# Altium PCB CPU_CARD.pcbdoc (part 5 of 10)
Units mil, origin at the board's own origin, x right, y up, seen from the top; angles counter-clockwise.
Board outline 12785.46 x 11935.21 mil, 2 copper layers (Top Layer, Bottom Layer); 169 components, 379 nets, 1548 pads, 1023 vias.
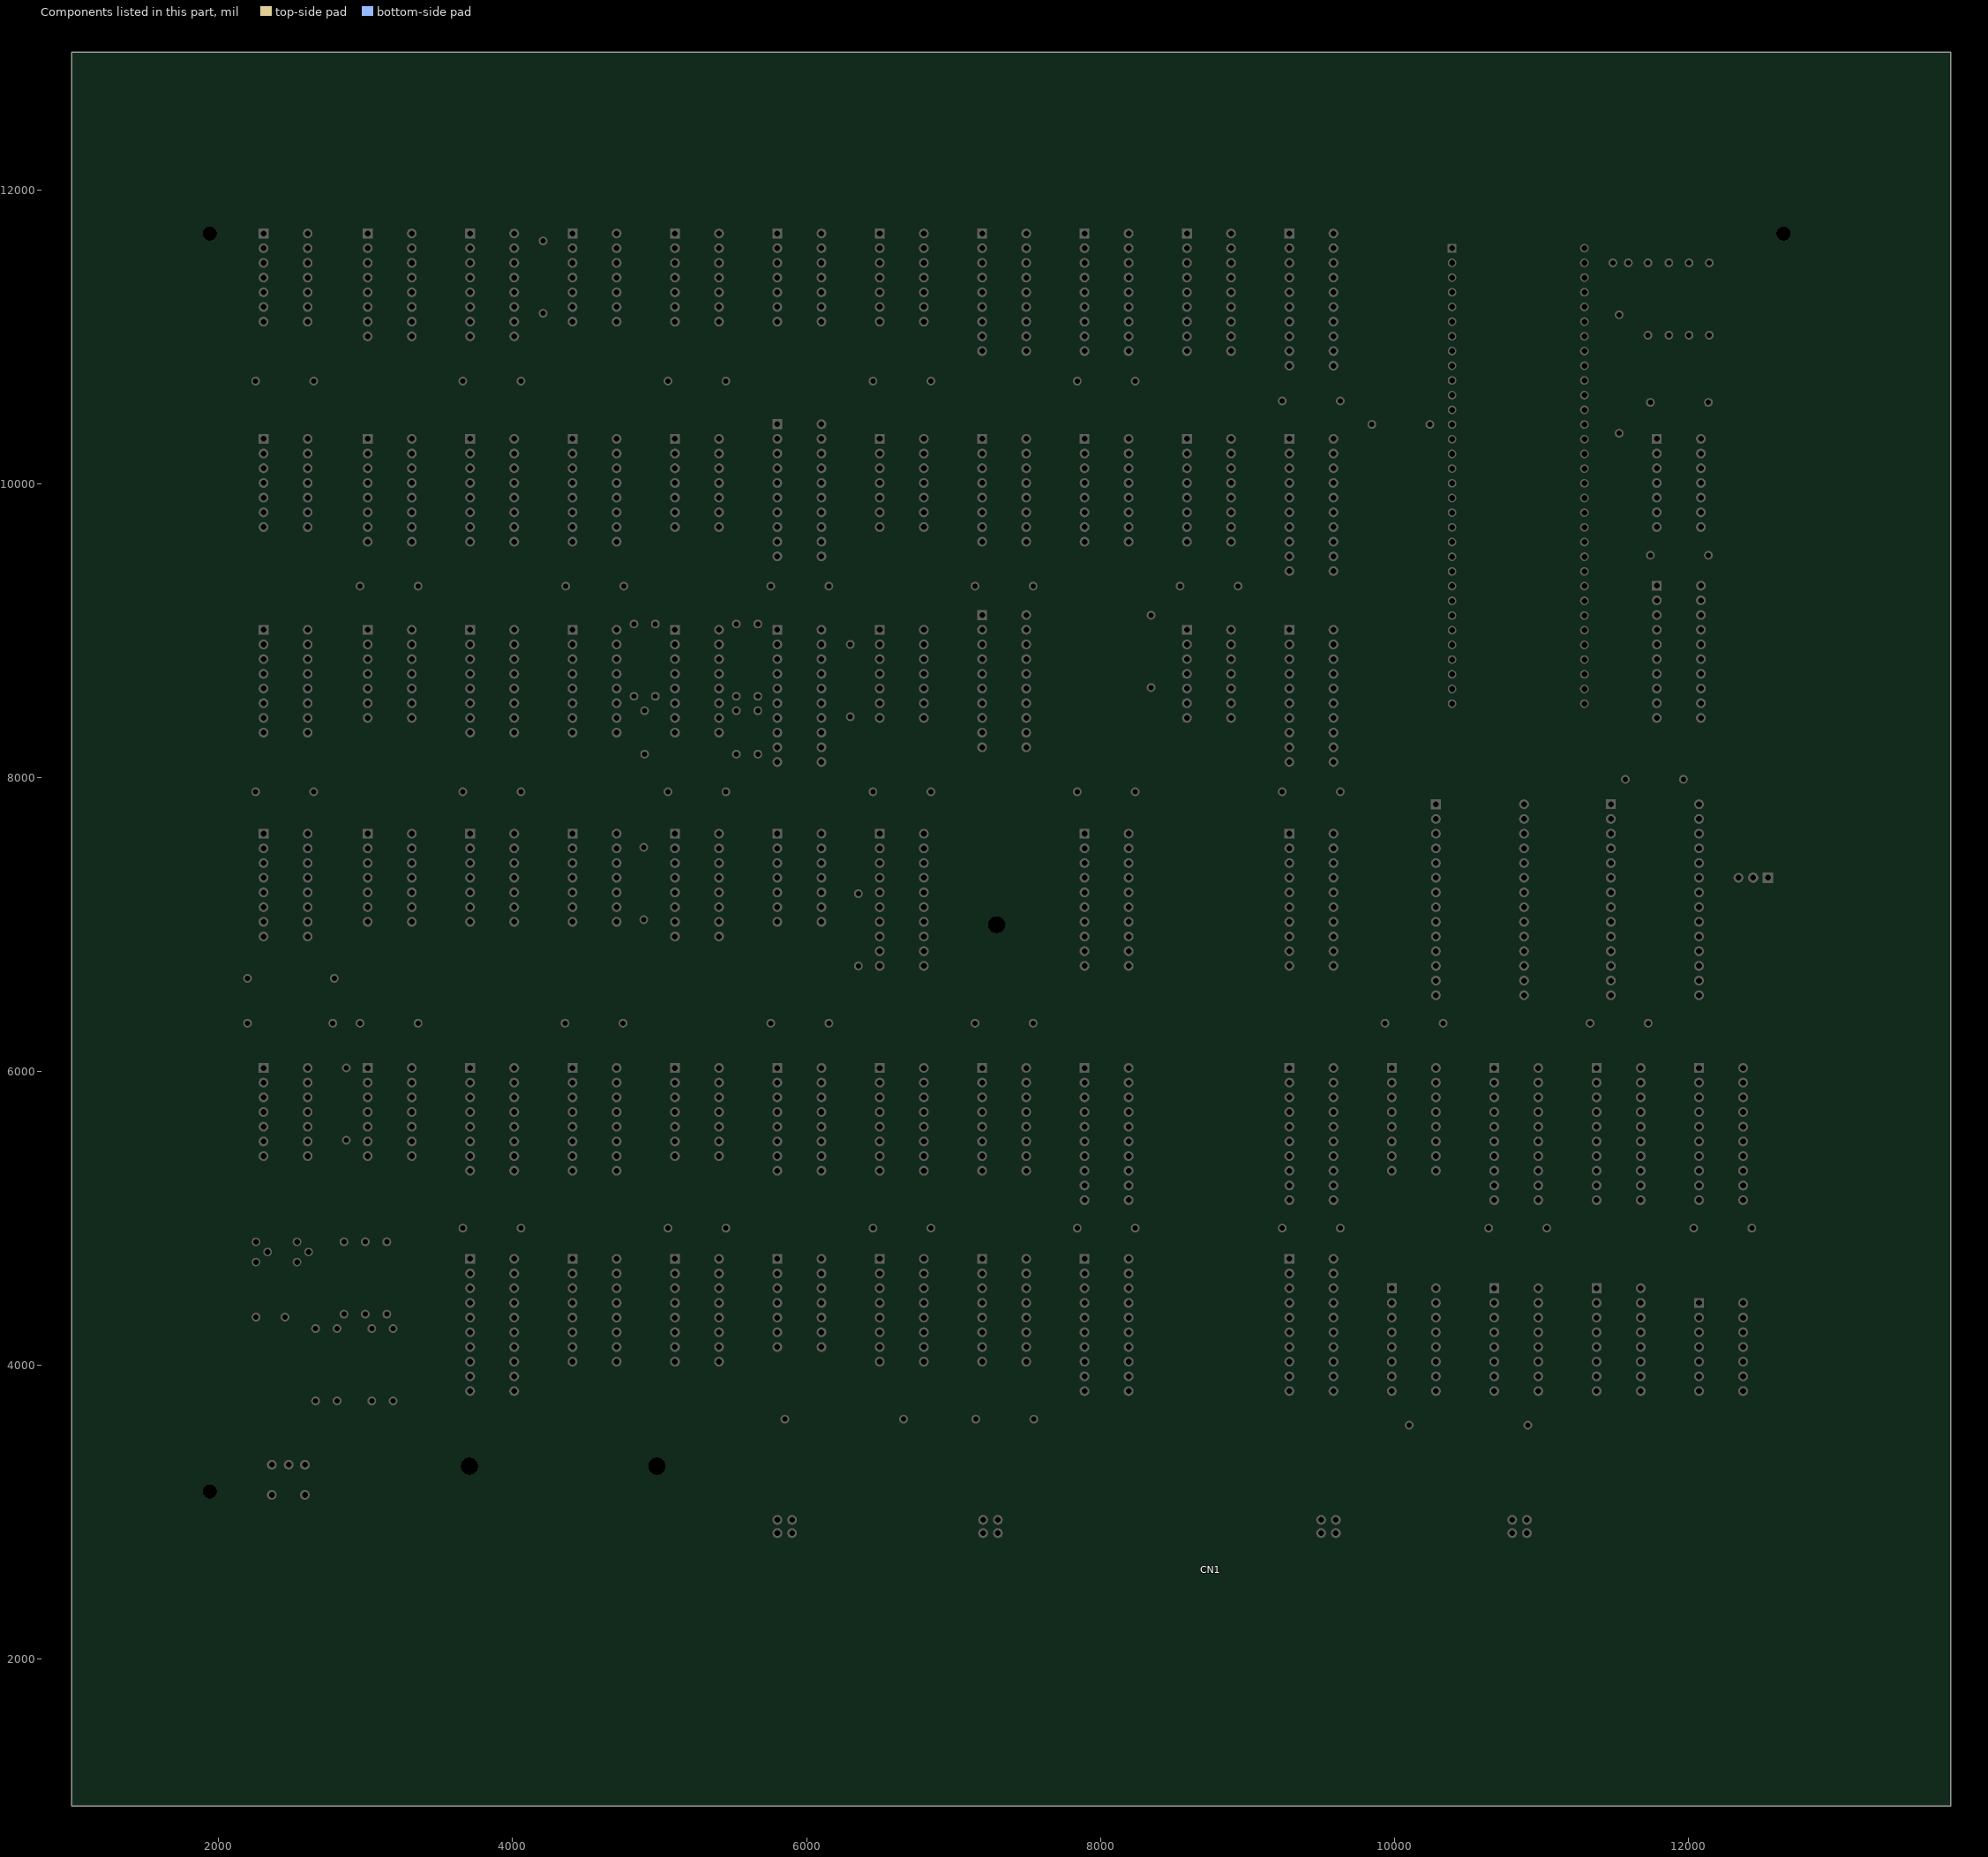
[diagram p5: the components of this part, seen from the top]

## Footprints (in the part's own frame and the unit in brackets; to place one, negate y for a bottom-side part, rotate by r counter-clockwise, add the part's x,y. Pads: shape width x height; smd on the part's side, far side on the other; paste and mask are expansions set on the pad) (continued)
LISA_60_PIN_EDGE_MK5 [mm] (continued)
  Bottom Layer region: -34.251,4.952 -34.289,4.953 -34.289,4.953 -34.327,4.952 -34.327,4.952 -34.365,4.949 -34.365,4.949 -34.402,4.944 -34.402,4.944 -34.439,4.937 -34.439,4.937 -34.476,4.927 -34.476,4.927 -34.512,4.916 -34.512,4.916 -34.548,4.903 -34.548,4.903 -34.583,4.888 -34.583,4.888 -34.617,4.871 -34.617,4.871 -34.65,4.853 -34.65,4.853 -34.682,4.832 -34.682,4.832 -34.712,4.81 -34.712,4.81 -34.742,4.786 -34.742,4.786 -34.77,4.761 -34.77,4.761 -34.797,4.734 -34.797,4.734 -34.822,4.706 -34.822,4.706 -34.846,4.677 -34.846,4.677 -34.868,4.646 -34.868,4.646 -34.889,4.614 -34.889,4.614 -34.907,4.581 -34.907,4.581 -34.924,4.547 -34.924,4.547 -34.939,4.512 -34.939,4.512 -34.952,4.477 -34.952,4.477 -34.963,4.44 -34.963,4.44 -34.972,4.403 -34.972,4.403 -34.98,4.366 -34.98,4.366 -34.985,4.329 -34.985,4.329 -34.988,4.291 -34.988,4.291 -34.989,4.253 -34.989,4.253 -34.989,-4.953 -34.989,-4.953 -33.589,-4.953 -33.589,-4.953 -33.589,4.253 -33.589,4.253 -33.59,4.291 -33.59,4.291 -33.593,4.329 -33.593,4.329 -33.598,4.366 -33.598,4.366 -33.605,4.403 -33.605,4.403 -33.614,4.44 -33.614,4.44 -33.625,4.477 -33.625,4.477 -33.638,4.512 -33.638,4.512 -33.653,4.547 -33.653,4.547 -33.67,4.581 -33.67,4.581 -33.689,4.614 -33.689,4.614 -33.709,4.646 -33.709,4.646 -33.732,4.677 -33.732,4.677 -33.755,4.706 -33.755,4.706 -33.781,4.734 -33.781,4.734 -33.807,4.761 -33.807,4.761 -33.836,4.786 -33.836,4.786 -33.865,4.81 -33.865,4.81 -33.896,4.832 -33.896,4.832 -33.928,4.853 -33.928,4.853 -33.961,4.871 -33.961,4.871 -33.995,4.888 -33.995,4.888 -34.03,4.903 -34.03,4.903 -34.065,4.916 -34.065,4.916 -34.102,4.927 -34.102,4.927 -34.138,4.937 -34.138,4.937 -34.175,4.944 -34.175,4.944 -34.213,4.949 -34.213,4.949
  Bottom Layer region: -31.711,4.952 -31.749,4.953 -31.749,4.953 -31.786,4.952 -31.786,4.952 -31.824,4.949 -31.824,4.949 -31.862,4.944 -31.862,4.944 -31.899,4.937 -31.899,4.937 -31.936,4.927 -31.936,4.927 -31.972,4.916 -31.972,4.916 -32.008,4.903 -32.008,4.903 -32.042,4.888 -32.042,4.888 -32.076,4.871 -32.076,4.871 -32.109,4.853 -32.109,4.853 -32.141,4.832 -32.141,4.832 -32.172,4.81 -32.172,4.81 -32.202,4.786 -32.202,4.786 -32.23,4.761 -32.23,4.761 -32.257,4.734 -32.257,4.734 -32.282,4.706 -32.282,4.706 -32.306,4.677 -32.306,4.677 -32.328,4.646 -32.328,4.646 -32.348,4.614 -32.348,4.614 -32.367,4.581 -32.367,4.581 -32.384,4.547 -32.384,4.547 -32.399,4.512 -32.399,4.512 -32.412,4.477 -32.412,4.477 -32.423,4.44 -32.423,4.44 -32.432,4.404 -32.432,4.404 -32.439,4.366 -32.439,4.366 -32.444,4.329 -32.444,4.329 -32.448,4.291 -32.448,4.291 -32.448,4.253 -32.448,4.253 -32.448,-4.953 -32.448,-4.953 -31.048,-4.953 -31.048,-4.953 -31.048,4.253 -31.048,4.253 -31.05,4.291 -31.05,4.291 -31.053,4.329 -31.053,4.329 -31.058,4.366 -31.058,4.366 -31.065,4.404 -31.065,4.404 -31.074,4.44 -31.074,4.44 -31.085,4.477 -31.085,4.477 -31.098,4.512 -31.098,4.512 -31.113,4.547 -31.113,4.547 -31.13,4.581 -31.13,4.581 -31.149,4.614 -31.149,4.614 -31.169,4.646 -31.169,4.646 -31.191,4.677 -31.191,4.677 -31.215,4.706 -31.215,4.706 -31.24,4.734 -31.24,4.734 -31.267,4.761 -31.267,4.761 -31.295,4.786 -31.295,4.786 -31.325,4.81 -31.325,4.81 -31.356,4.832 -31.356,4.832 -31.388,4.853 -31.388,4.853 -31.421,4.871 -31.421,4.871 -31.454,4.888 -31.454,4.888 -31.489,4.903 -31.489,4.903 -31.525,4.916 -31.525,4.916 -31.561,4.927 -31.561,4.927 -31.598,4.937 -31.598,4.937 -31.635,4.944 -31.635,4.944 -31.673,4.949 -31.673,4.949
  Bottom Layer region: -26.63,4.952 -26.668,4.953 -26.668,4.953 -26.706,4.952 -26.706,4.952 -26.744,4.949 -26.744,4.949 -26.781,4.944 -26.781,4.944 -26.818,4.937 -26.818,4.937 -26.855,4.927 -26.855,4.927 -26.891,4.916 -26.891,4.916 -26.927,4.903 -26.927,4.903 -26.962,4.888 -26.962,4.888 -26.996,4.871 -26.996,4.871 -27.029,4.853 -27.029,4.853 -27.061,4.832 -27.061,4.832 -27.092,4.81 -27.092,4.81 -27.121,4.786 -27.121,4.786 -27.149,4.761 -27.149,4.761 -27.176,4.734 -27.176,4.734 -27.201,4.706 -27.201,4.706 -27.225,4.677 -27.225,4.677 -27.247,4.646 -27.247,4.646 -27.268,4.614 -27.268,4.614 -27.286,4.581 -27.286,4.581 -27.303,4.547 -27.303,4.547 -27.318,4.512 -27.318,4.512 -27.331,4.477 -27.331,4.477 -27.342,4.44 -27.342,4.44 -27.352,4.403 -27.352,4.403 -27.359,4.366 -27.359,4.366 -27.364,4.329 -27.364,4.329 -27.367,4.291 -27.367,4.291 -27.368,4.253 -27.368,4.253 -27.368,-4.953 -27.368,-4.953 -25.968,-4.953 -25.968,-4.953 -25.968,4.253 -25.968,4.253 -25.969,4.291 -25.969,4.291 -25.972,4.329 -25.972,4.329 -25.977,4.366 -25.977,4.366 -25.984,4.403 -25.984,4.403 -25.993,4.44 -25.993,4.44 -26.005,4.477 -26.005,4.477 -26.018,4.512 -26.018,4.512 -26.033,4.547 -26.033,4.547 -26.05,4.581 -26.05,4.581 -26.068,4.614 -26.068,4.614 -26.088,4.646 -26.088,4.646 -26.111,4.677 -26.111,4.677 -26.134,4.706 -26.134,4.706 -26.16,4.734 -26.16,4.734 -26.187,4.761 -26.187,4.761 -26.215,4.786 -26.215,4.786 -26.244,4.81 -26.244,4.81 -26.275,4.832 -26.275,4.832 -26.307,4.853 -26.307,4.853 -26.34,4.871 -26.34,4.871 -26.374,4.888 -26.374,4.888 -26.409,4.903 -26.409,4.903 -26.444,4.916 -26.444,4.916 -26.481,4.927 -26.481,4.927 -26.517,4.937 -26.517,4.937 -26.555,4.944 -26.555,4.944 -26.592,4.949 -26.592,4.949
  Bottom Layer region: -29.17,4.952 -29.208,4.953 -29.208,4.953 -29.246,4.952 -29.246,4.952 -29.284,4.949 -29.284,4.949 -29.322,4.944 -29.322,4.944 -29.359,4.937 -29.359,4.937 -29.396,4.928 -29.396,4.928 -29.432,4.917 -29.432,4.917 -29.467,4.903 -29.467,4.903 -29.502,4.888 -29.502,4.888 -29.536,4.872 -29.536,4.872 -29.569,4.853 -29.569,4.853 -29.601,4.833 -29.601,4.833 -29.632,4.81 -29.632,4.81 -29.661,4.787 -29.661,4.787 -29.69,4.761 -29.69,4.761 -29.716,4.735 -29.716,4.735 -29.742,4.706 -29.742,4.706 -29.766,4.677 -29.766,4.677 -29.788,4.646 -29.788,4.646 -29.808,4.614 -29.808,4.614 -29.827,4.581 -29.827,4.581 -29.844,4.547 -29.844,4.547 -29.859,4.512 -29.859,4.512 -29.872,4.477 -29.872,4.477 -29.883,4.441 -29.883,4.441 -29.892,4.404 -29.892,4.404 -29.899,4.366 -29.899,4.366 -29.904,4.329 -29.904,4.329 -29.907,4.291 -29.907,4.291 -29.908,4.253 -29.908,4.253 -29.908,-4.953 -29.908,-4.953 -28.508,-4.953 -28.508,-4.953 -28.508,4.253 -28.508,4.253 -28.509,4.291 -28.509,4.291 -28.512,4.329 -28.512,4.329 -28.517,4.366 -28.517,4.366 -28.525,4.404 -28.525,4.404 -28.534,4.441 -28.534,4.441 -28.545,4.477 -28.545,4.477 -28.558,4.512 -28.558,4.512 -28.573,4.547 -28.573,4.547 -28.59,4.581 -28.59,4.581 -28.609,4.614 -28.609,4.614 -28.629,4.646 -28.629,4.646 -28.651,4.677 -28.651,4.677 -28.675,4.706 -28.675,4.706 -28.7,4.735 -28.7,4.735 -28.727,4.761 -28.727,4.761 -28.755,4.787 -28.755,4.787 -28.785,4.81 -28.785,4.81 -28.815,4.833 -28.815,4.833 -28.847,4.853 -28.847,4.853 -28.881,4.872 -28.881,4.872 -28.914,4.888 -28.914,4.888 -28.949,4.903 -28.949,4.903 -28.985,4.917 -28.985,4.917 -29.021,4.928 -29.021,4.928 -29.058,4.937 -29.058,4.937 -29.095,4.944 -29.095,4.944 -29.133,4.949 -29.133,4.949
  Bottom Layer region: -19.009,4.952 -19.047,4.953 -19.047,4.953 -19.085,4.952 -19.085,4.952 -19.123,4.949 -19.123,4.949 -19.16,4.944 -19.16,4.944 -19.198,4.937 -19.198,4.937 -19.234,4.928 -19.234,4.928 -19.27,4.917 -19.27,4.917 -19.306,4.903 -19.306,4.903 -19.341,4.888 -19.341,4.888 -19.375,4.872 -19.375,4.872 -19.408,4.853 -19.408,4.853 -19.44,4.833 -19.44,4.833 -19.471,4.81 -19.471,4.81 -19.5,4.787 -19.5,4.787 -19.528,4.761 -19.528,4.761 -19.555,4.735 -19.555,4.735 -19.58,4.706 -19.58,4.706 -19.604,4.677 -19.604,4.677 -19.626,4.646 -19.626,4.646 -19.647,4.614 -19.647,4.614 -19.666,4.581 -19.666,4.581 -19.682,4.547 -19.682,4.547 -19.697,4.512 -19.697,4.512 -19.71,4.477 -19.71,4.477 -19.721,4.44 -19.721,4.44 -19.731,4.404 -19.731,4.404 -19.738,4.366 -19.738,4.366 -19.743,4.329 -19.743,4.329 -19.746,4.291 -19.746,4.291 -19.747,4.253 -19.747,4.253 -19.747,-4.953 -19.747,-4.953 -18.347,-4.953 -18.347,-4.953 -18.347,4.253 -18.347,4.253 -18.348,4.291 -18.348,4.291 -18.351,4.329 -18.351,4.329 -18.356,4.366 -18.356,4.366 -18.363,4.404 -18.363,4.404 -18.373,4.44 -18.373,4.44 -18.384,4.477 -18.384,4.477 -18.397,4.512 -18.397,4.512 -18.412,4.547 -18.412,4.547 -18.428,4.581 -18.428,4.581 -18.447,4.614 -18.447,4.614 -18.468,4.646 -18.468,4.646 -18.49,4.677 -18.49,4.677 -18.514,4.706 -18.514,4.706 -18.539,4.735 -18.539,4.735 -18.565,4.761 -18.565,4.761 -18.594,4.787 -18.594,4.787 -18.623,4.81 -18.623,4.81 -18.654,4.833 -18.654,4.833 -18.686,4.853 -18.686,4.853 -18.719,4.872 -18.719,4.872 -18.753,4.888 -18.753,4.888 -18.788,4.903 -18.788,4.903 -18.823,4.917 -18.823,4.917 -18.86,4.928 -18.86,4.928 -18.896,4.937 -18.896,4.937 -18.934,4.944 -18.934,4.944 -18.971,4.949 -18.971,4.949
  Bottom Layer region: -16.469,4.952 -16.507,4.953 -16.507,4.953 -16.545,4.952 -16.545,4.952 -16.582,4.949 -16.582,4.949 -16.62,4.944 -16.62,4.944 -16.657,4.937 -16.657,4.937 -16.694,4.927 -16.694,4.927 -16.73,4.916 -16.73,4.916 -16.766,4.903 -16.766,4.903 -16.8,4.888 -16.8,4.888 -16.834,4.871 -16.834,4.871 -16.868,4.853 -16.868,4.853 -16.9,4.832 -16.9,4.832 -16.93,4.81 -16.93,4.81 -16.96,4.787 -16.96,4.787 -16.988,4.761 -16.988,4.761 -17.015,4.734 -17.015,4.734 -17.04,4.706 -17.04,4.706 -17.064,4.677 -17.064,4.677 -17.086,4.646 -17.086,4.646 -17.106,4.614 -17.106,4.614 -17.125,4.581 -17.125,4.581 -17.142,4.547 -17.142,4.547 -17.157,4.512 -17.157,4.512 -17.17,4.477 -17.17,4.477 -17.181,4.44 -17.181,4.44 -17.19,4.403 -17.19,4.403 -17.197,4.366 -17.197,4.366 -17.203,4.329 -17.203,4.329 -17.206,4.291 -17.206,4.291 -17.206,4.253 -17.206,4.253 -17.206,-4.953 -17.206,-4.953 -15.807,-4.953 -15.807,-4.953 -15.807,4.253 -15.807,4.253 -15.808,4.291 -15.808,4.291 -15.811,4.329 -15.811,4.329 -15.816,4.366 -15.816,4.366 -15.823,4.403 -15.823,4.403 -15.832,4.44 -15.832,4.44 -15.843,4.477 -15.843,4.477 -15.856,4.512 -15.856,4.512 -15.871,4.547 -15.871,4.547 -15.888,4.581 -15.888,4.581 -15.907,4.614 -15.907,4.614 -15.927,4.646 -15.927,4.646 -15.949,4.677 -15.949,4.677 -15.973,4.706 -15.973,4.706 -15.998,4.734 -15.998,4.734 -16.025,4.761 -16.025,4.761 -16.053,4.787 -16.053,4.787 -16.083,4.81 -16.083,4.81 -16.114,4.832 -16.114,4.832 -16.146,4.853 -16.146,4.853 -16.179,4.871 -16.179,4.871 -16.213,4.888 -16.213,4.888 -16.247,4.903 -16.247,4.903 -16.283,4.916 -16.283,4.916 -16.32,4.927 -16.32,4.927 -16.356,4.937 -16.356,4.937 -16.393,4.944 -16.393,4.944 -16.431,4.949 -16.431,4.949
  Bottom Layer region: -21.549,4.952 -21.587,4.953 -21.587,4.953 -21.625,4.952 -21.625,4.952 -21.663,4.949 -21.663,4.949 -21.7,4.944 -21.7,4.944 -21.738,4.937 -21.738,4.937 -21.775,4.927 -21.775,4.927 -21.811,4.916 -21.811,4.916 -21.846,4.903 -21.846,4.903 -21.881,4.888 -21.881,4.888 -21.915,4.871 -21.915,4.871 -21.948,4.853 -21.948,4.853 -21.98,4.832 -21.98,4.832 -22.011,4.81 -22.011,4.81 -22.04,4.786 -22.04,4.786 -22.069,4.761 -22.069,4.761 -22.096,4.734 -22.096,4.734 -22.121,4.706 -22.121,4.706 -22.145,4.677 -22.145,4.677 -22.167,4.646 -22.167,4.646 -22.187,4.614 -22.187,4.614 -22.206,4.581 -22.206,4.581 -22.223,4.547 -22.223,4.547 -22.237,4.512 -22.237,4.512 -22.251,4.476 -22.251,4.476 -22.262,4.44 -22.262,4.44 -22.271,4.403 -22.271,4.403 -22.278,4.366 -22.278,4.366 -22.283,4.329 -22.283,4.329 -22.286,4.291 -22.286,4.291 -22.287,4.253 -22.287,4.253 -22.287,-4.953 -22.287,-4.953 -20.887,-4.953 -20.887,-4.953 -20.887,4.253 -20.887,4.253 -20.888,4.291 -20.888,4.291 -20.891,4.329 -20.891,4.329 -20.896,4.366 -20.896,4.366 -20.904,4.403 -20.904,4.403 -20.913,4.44 -20.913,4.44 -20.924,4.476 -20.924,4.476 -20.937,4.512 -20.937,4.512 -20.952,4.547 -20.952,4.547 -20.969,4.581 -20.969,4.581 -20.987,4.614 -20.987,4.614 -21.008,4.646 -21.008,4.646 -21.03,4.677 -21.03,4.677 -21.054,4.706 -21.054,4.706 -21.079,4.734 -21.079,4.734 -21.106,4.761 -21.106,4.761 -21.134,4.786 -21.134,4.786 -21.164,4.81 -21.164,4.81 -21.194,4.832 -21.194,4.832 -21.226,4.853 -21.226,4.853 -21.26,4.871 -21.26,4.871 -21.293,4.888 -21.293,4.888 -21.328,4.903 -21.328,4.903 -21.364,4.916 -21.364,4.916 -21.4,4.927 -21.4,4.927 -21.437,4.937 -21.437,4.937 -21.474,4.944 -21.474,4.944 -21.512,4.949 -21.512,4.949
  Bottom Layer region: -24.09,4.952 -24.128,4.953 -24.128,4.953 -24.165,4.952 -24.165,4.952 -24.203,4.949 -24.203,4.949 -24.241,4.944 -24.241,4.944 -24.278,4.937 -24.278,4.937 -24.315,4.927 -24.315,4.927 -24.351,4.916 -24.351,4.916 -24.387,4.903 -24.387,4.903 -24.421,4.888 -24.421,4.888 -24.455,4.871 -24.455,4.871 -24.488,4.853 -24.488,4.853 -24.52,4.832 -24.52,4.832 -24.551,4.81 -24.551,4.81 -24.581,4.786 -24.581,4.786 -24.609,4.761 -24.609,4.761 -24.636,4.734 -24.636,4.734 -24.661,4.706 -24.661,4.706 -24.685,4.677 -24.685,4.677 -24.707,4.646 -24.707,4.646 -24.727,4.614 -24.727,4.614 -24.746,4.581 -24.746,4.581 -24.763,4.547 -24.763,4.547 -24.778,4.512 -24.778,4.512 -24.791,4.477 -24.791,4.477 -24.802,4.44 -24.802,4.44 -24.811,4.403 -24.811,4.403 -24.818,4.366 -24.818,4.366 -24.823,4.329 -24.823,4.329 -24.826,4.291 -24.826,4.291 -24.827,4.253 -24.827,4.253 -24.827,-4.953 -24.827,-4.953 -23.427,-4.953 -23.427,-4.953 -23.427,4.253 -23.427,4.253 -23.429,4.291 -23.429,4.291 -23.432,4.329 -23.432,4.329 -23.437,4.366 -23.437,4.366 -23.444,4.403 -23.444,4.403 -23.453,4.44 -23.453,4.44 -23.464,4.477 -23.464,4.477 -23.477,4.512 -23.477,4.512 -23.492,4.547 -23.492,4.547 -23.509,4.581 -23.509,4.581 -23.528,4.614 -23.528,4.614 -23.548,4.646 -23.548,4.646 -23.57,4.677 -23.57,4.677 -23.594,4.706 -23.594,4.706 -23.619,4.734 -23.619,4.734 -23.646,4.761 -23.646,4.761 -23.674,4.786 -23.674,4.786 -23.704,4.81 -23.704,4.81 -23.735,4.832 -23.735,4.832 -23.767,4.853 -23.767,4.853 -23.8,4.871 -23.8,4.871 -23.834,4.888 -23.834,4.888 -23.868,4.903 -23.868,4.903 -23.904,4.916 -23.904,4.916 -23.94,4.927 -23.94,4.927 -23.977,4.937 -23.977,4.937 -24.014,4.944 -24.014,4.944 -24.052,4.949 -24.052,4.949
  Bottom Layer region: -3.767,4.952 -3.805,4.953 -3.805,4.953 -3.843,4.952 -3.843,4.952 -3.881,4.949 -3.881,4.949 -3.919,4.944 -3.919,4.944 -3.956,4.937 -3.956,4.937 -3.993,4.927 -3.993,4.927 -4.029,4.916 -4.029,4.916 -4.064,4.903 -4.064,4.903 -4.099,4.888 -4.099,4.888 -4.133,4.871 -4.133,4.871 -4.166,4.853 -4.166,4.853 -4.198,4.832 -4.198,4.832 -4.229,4.81 -4.229,4.81 -4.258,4.786 -4.258,4.786 -4.287,4.761 -4.287,4.761 -4.314,4.734 -4.314,4.734 -4.339,4.706 -4.339,4.706 -4.363,4.677 -4.363,4.677 -4.385,4.646 -4.385,4.646 -4.405,4.614 -4.405,4.614 -4.424,4.581 -4.424,4.581 -4.441,4.547 -4.441,4.547 -4.456,4.512 -4.456,4.512 -4.469,4.477 -4.469,4.477 -4.48,4.44 -4.48,4.44 -4.489,4.403 -4.489,4.403 -4.496,4.366 -4.496,4.366 -4.501,4.329 -4.501,4.329 -4.504,4.291 -4.504,4.291 -4.505,4.253 -4.505,4.253 -4.505,-4.953 -4.505,-4.953 -3.105,-4.953 -3.105,-4.953 -3.105,4.253 -3.105,4.253 -3.106,4.291 -3.106,4.291 -3.109,4.329 -3.109,4.329 -3.114,4.366 -3.114,4.366 -3.122,4.403 -3.122,4.403 -3.131,4.44 -3.131,4.44 -3.142,4.477 -3.142,4.477 -3.155,4.512 -3.155,4.512 -3.17,4.547 -3.17,4.547 -3.187,4.581 -3.187,4.581 -3.206,4.614 -3.206,4.614 -3.226,4.646 -3.226,4.646 -3.248,4.677 -3.248,4.677 -3.272,4.706 -3.272,4.706 -3.297,4.734 -3.297,4.734 -3.324,4.761 -3.324,4.761 -3.352,4.786 -3.352,4.786 -3.382,4.81 -3.382,4.81 -3.412,4.832 -3.412,4.832 -3.444,4.853 -3.444,4.853 -3.477,4.871 -3.477,4.871 -3.511,4.888 -3.511,4.888 -3.546,4.903 -3.546,4.903 -3.582,4.916 -3.582,4.916 -3.618,4.927 -3.618,4.927 -3.655,4.937 -3.655,4.937 -3.692,4.944 -3.692,4.944 -3.73,4.949 -3.73,4.949
  Bottom Layer region: -1.227,4.952 -1.265,4.953 -1.265,4.953 -1.303,4.952 -1.303,4.952 -1.341,4.949 -1.341,4.949 -1.378,4.944 -1.378,4.944 -1.416,4.937 -1.416,4.937 -1.452,4.927 -1.452,4.927 -1.488,4.916 -1.488,4.916 -1.524,4.903 -1.524,4.903 -1.559,4.888 -1.559,4.888 -1.593,4.871 -1.593,4.871 -1.626,4.853 -1.626,4.853 -1.658,4.832 -1.658,4.832 -1.689,4.81 -1.689,4.81 -1.718,4.786 -1.718,4.786 -1.746,4.761 -1.746,4.761 -1.773,4.734 -1.773,4.734 -1.798,4.706 -1.798,4.706 -1.822,4.677 -1.822,4.677 -1.844,4.646 -1.844,4.646 -1.865,4.614 -1.865,4.614 -1.884,4.581 -1.884,4.581 -1.9,4.547 -1.9,4.547 -1.915,4.512 -1.915,4.512 -1.928,4.477 -1.928,4.477 -1.939,4.44 -1.939,4.44 -1.949,4.403 -1.949,4.403 -1.956,4.366 -1.956,4.366 -1.961,4.329 -1.961,4.329 -1.964,4.291 -1.964,4.291 -1.965,4.253 -1.965,4.253 -1.965,-4.953 -1.965,-4.953 -0.565,-4.953 -0.565,-4.953 -0.565,4.253 -0.565,4.253 -0.566,4.291 -0.566,4.291 -0.569,4.329 -0.569,4.329 -0.574,4.366 -0.574,4.366 -0.581,4.403 -0.581,4.403 -0.59,4.44 -0.59,4.44 -0.602,4.477 -0.602,4.477 -0.615,4.512 -0.615,4.512 -0.63,4.547 -0.63,4.547 -0.647,4.581 -0.647,4.581 -0.665,4.614 -0.665,4.614 -0.686,4.646 -0.686,4.646 -0.708,4.677 -0.708,4.677 -0.732,4.706 -0.732,4.706 -0.757,4.734 -0.757,4.734 -0.784,4.761 -0.784,4.761 -0.812,4.786 -0.812,4.786 -0.841,4.81 -0.841,4.81 -0.872,4.832 -0.872,4.832 -0.904,4.853 -0.904,4.853 -0.937,4.871 -0.937,4.871 -0.971,4.888 -0.971,4.888 -1.006,4.903 -1.006,4.903 -1.042,4.916 -1.042,4.916 -1.078,4.927 -1.078,4.927 -1.115,4.937 -1.115,4.937 -1.152,4.944 -1.152,4.944 -1.189,4.949 -1.189,4.949
  Bottom Layer region: 3.854,4.952 3.816,4.953 3.816,4.953 3.778,4.952 3.778,4.952 3.74,4.949 3.74,4.949 3.702,4.944 3.702,4.944 3.665,4.937 3.665,4.937 3.628,4.927 3.628,4.927 3.592,4.916 3.592,4.916 3.557,4.903 3.557,4.903 3.522,4.888 3.522,4.888 3.488,4.871 3.488,4.871 3.455,4.853 3.455,4.853 3.423,4.832 3.423,4.832 3.392,4.81 3.392,4.81 3.362,4.786 3.362,4.786 3.334,4.761 3.334,4.761 3.307,4.734 3.307,4.734 3.282,4.706 3.282,4.706 3.258,4.677 3.258,4.677 3.236,4.646 3.236,4.646 3.216,4.614 3.216,4.614 3.197,4.581 3.197,4.581 3.18,4.547 3.18,4.547 3.165,4.512 3.165,4.512 3.152,4.477 3.152,4.477 3.141,4.44 3.141,4.44 3.132,4.403 3.132,4.403 3.125,4.366 3.125,4.366 3.12,4.329 3.12,4.329 3.117,4.291 3.117,4.291 3.116,4.253 3.116,4.253 3.116,-4.953 3.116,-4.953 4.516,-4.953 4.516,-4.953 4.516,4.253 4.516,4.253 4.514,4.291 4.514,4.291 4.512,4.329 4.512,4.329 4.507,4.366 4.507,4.366 4.499,4.403 4.499,4.403 4.49,4.44 4.49,4.44 4.479,4.477 4.479,4.477 4.466,4.512 4.466,4.512 4.451,4.547 4.451,4.547 4.434,4.581 4.434,4.581 4.415,4.614 4.415,4.614 4.395,4.646 4.395,4.646 4.373,4.677 4.373,4.677 4.349,4.706 4.349,4.706 4.324,4.734 4.324,4.734 4.297,4.761 4.297,4.761 4.269,4.786 4.269,4.786 4.239,4.81 4.239,4.81 4.208,4.832 4.208,4.832 4.176,4.853 4.176,4.853 4.143,4.871 4.143,4.871 4.11,4.888 4.11,4.888 4.075,4.903 4.075,4.903 4.039,4.916 4.039,4.916 4.003,4.927 4.003,4.927 3.966,4.937 3.966,4.937 3.929,4.944 3.929,4.944 3.891,4.949 3.891,4.949
  Bottom Layer region: 1.313,4.952 1.275,4.953 1.275,4.953 1.237,4.952 1.237,4.952 1.199,4.949 1.199,4.949 1.162,4.944 1.162,4.944 1.125,4.937 1.125,4.937 1.088,4.927 1.088,4.927 1.052,4.916 1.052,4.916 1.016,4.903 1.016,4.903 0.981,4.888 0.981,4.888 0.947,4.872 0.947,4.872 0.914,4.853 0.914,4.853 0.882,4.832 0.882,4.832 0.852,4.81 0.852,4.81 0.822,4.787 0.822,4.787 0.794,4.761 0.794,4.761 0.767,4.734 0.767,4.734 0.742,4.706 0.742,4.706 0.718,4.677 0.718,4.677 0.696,4.646 0.696,4.646 0.675,4.614 0.675,4.614 0.657,4.581 0.657,4.581 0.64,4.547 0.64,4.547 0.625,4.512 0.625,4.512 0.612,4.477 0.612,4.477 0.601,4.44 0.601,4.44 0.592,4.404 0.592,4.404 0.584,4.366 0.584,4.366 0.579,4.329 0.579,4.329 0.576,4.291 0.576,4.291 0.575,4.253 0.575,4.253 0.575,-4.953 0.575,-4.953 1.975,-4.953 1.975,-4.953 1.975,4.253 1.975,4.253 1.974,4.291 1.974,4.291 1.971,4.329 1.971,4.329 1.966,4.366 1.966,4.366 1.959,4.404 1.959,4.404 1.95,4.44 1.95,4.44 1.939,4.477 1.939,4.477 1.926,4.512 1.926,4.512 1.911,4.547 1.911,4.547 1.894,4.581 1.894,4.581 1.875,4.614 1.875,4.614 1.855,4.646 1.855,4.646 1.832,4.677 1.832,4.677 1.809,4.706 1.809,4.706 1.783,4.734 1.783,4.734 1.757,4.761 1.757,4.761 1.728,4.787 1.728,4.787 1.699,4.81 1.699,4.81 1.668,4.832 1.668,4.832 1.636,4.853 1.636,4.853 1.603,4.872 1.603,4.872 1.569,4.888 1.569,4.888 1.534,4.903 1.534,4.903 1.499,4.916 1.499,4.916 1.462,4.927 1.462,4.927 1.426,4.937 1.426,4.937 1.388,4.944 1.388,4.944 1.351,4.949 1.351,4.949